# Altium PCB RGV_Control_1V21.PcbDoc (part 3 of 6)
Units mm, origin at the board's own origin, x right, y up, seen from the top; angles counter-clockwise.
Board outline 221.11 x 150.42 mm, 4 copper layers (Top Layer, GND, Power, Bottom Layer), stack 1.56 mm thick; 529 components, 871 nets, 2379 pads, 835 vias.
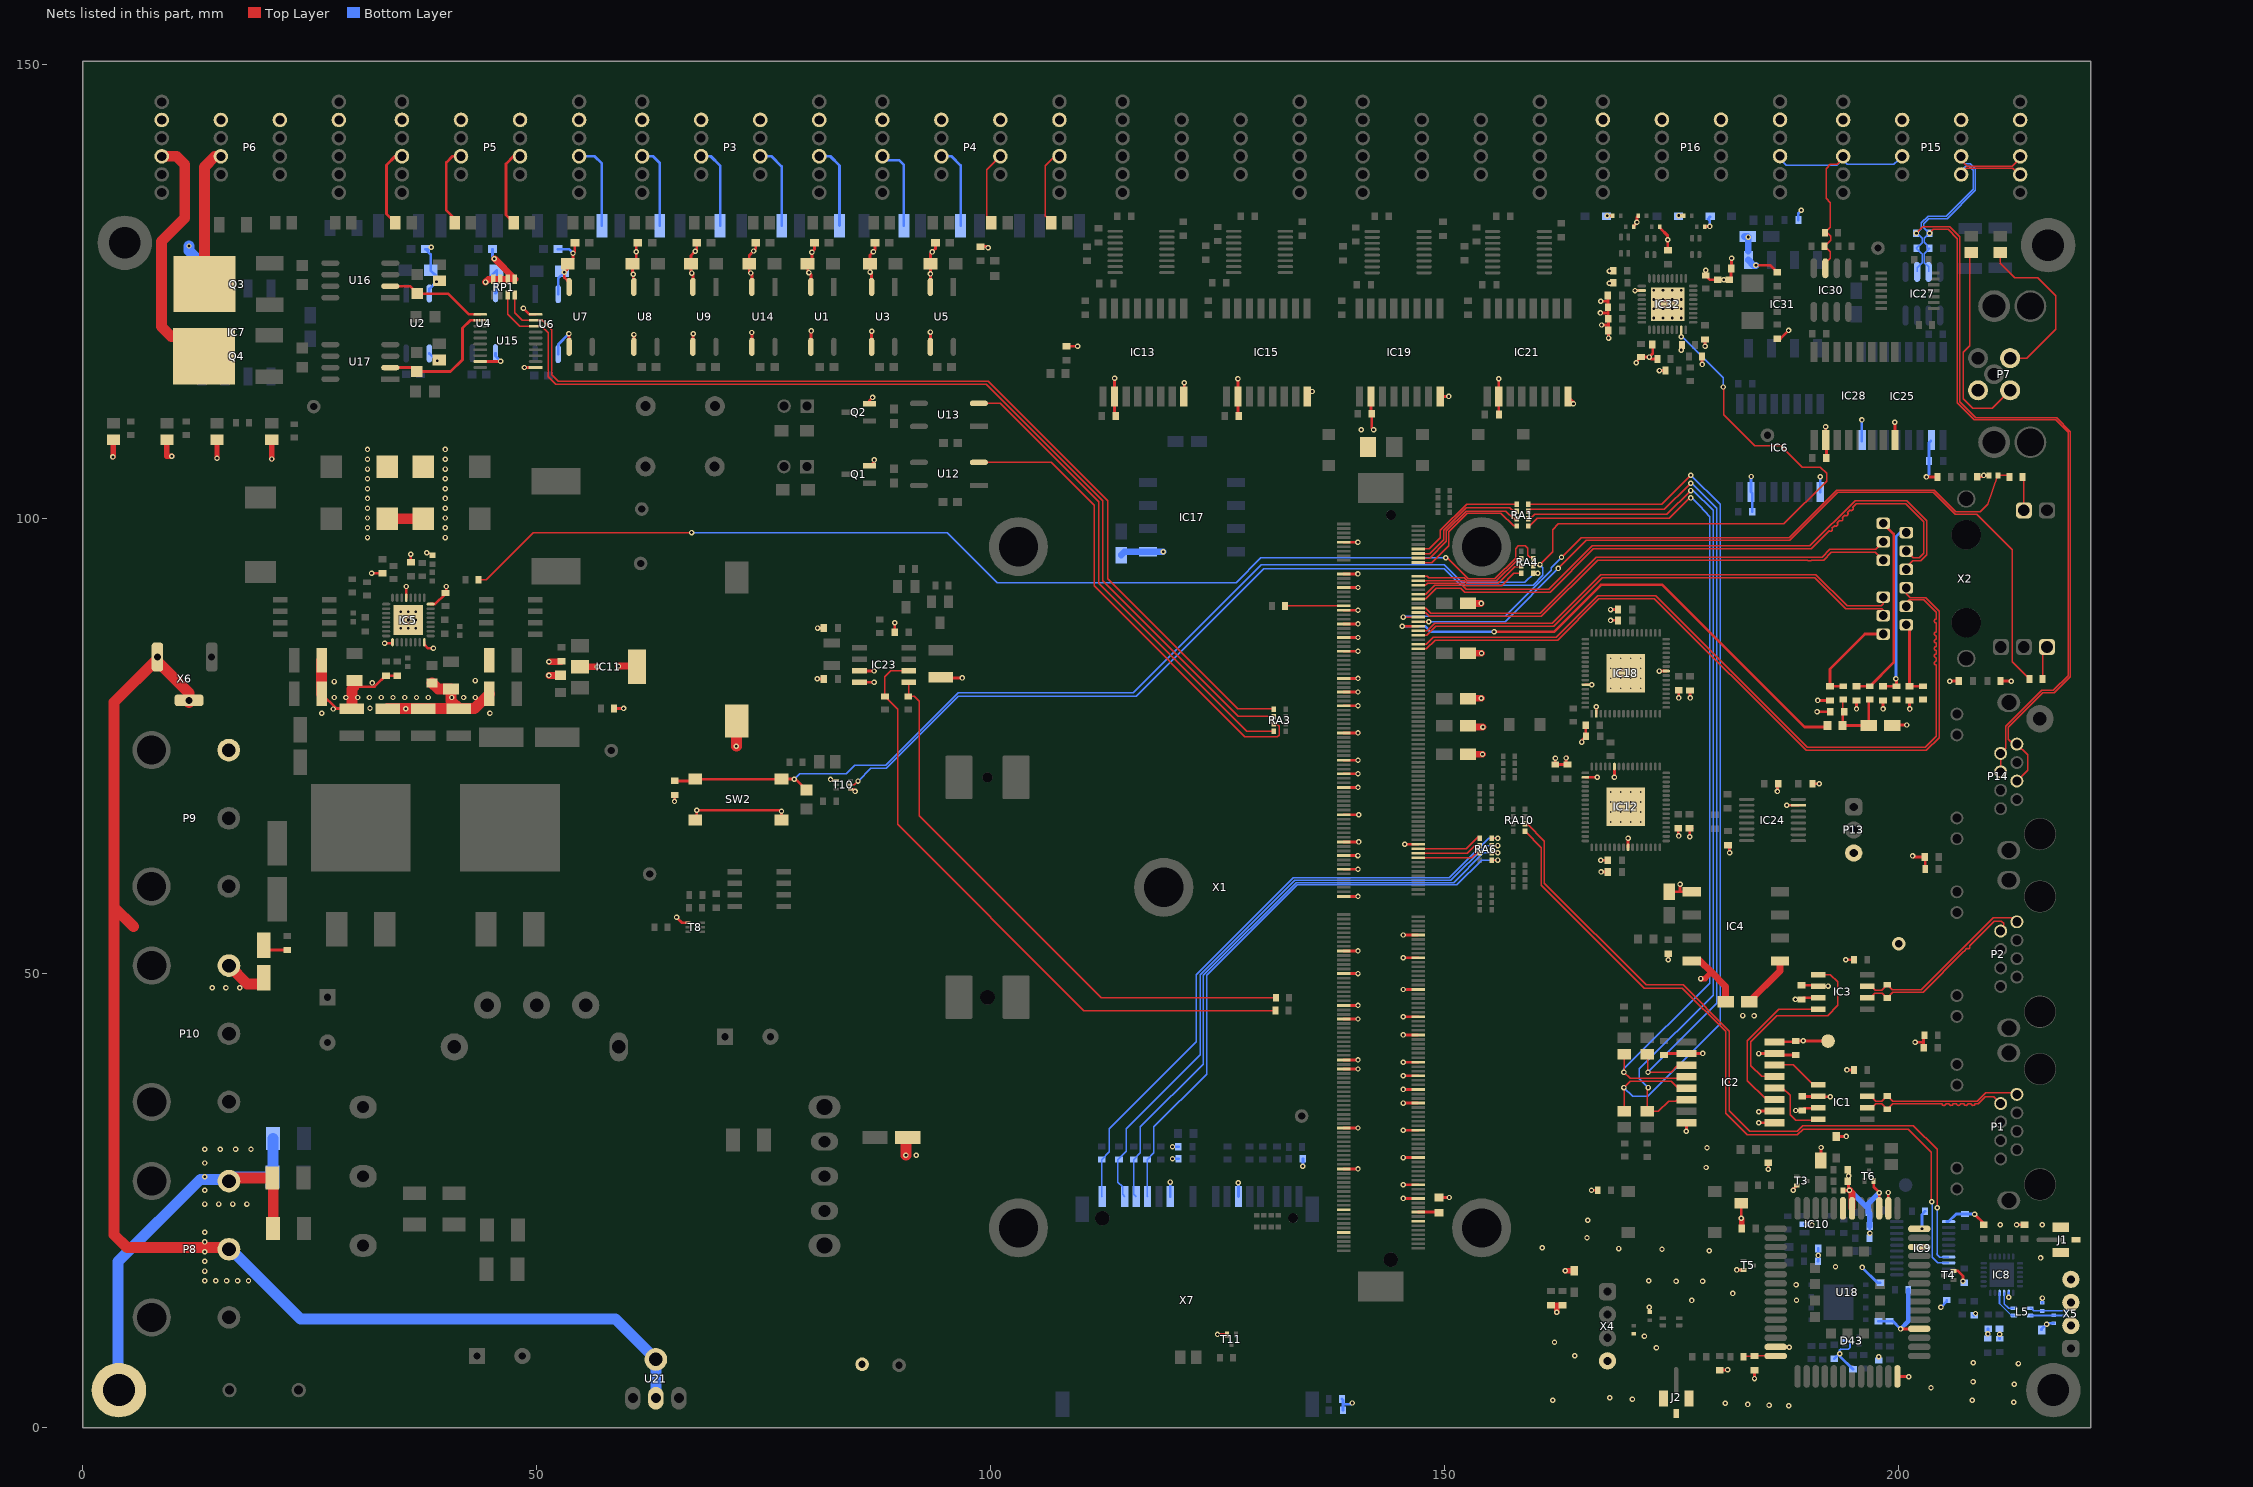
[diagram p5: the nets of this part, all layers, seen from the top]

## Via types
v1: diameter 0.6, hole 0.3, Top Layer to Bottom Layer, 778 vias
v2: diameter 0.5, hole 0.2, Top Layer to Bottom Layer, 32 vias
v3: diameter 0.6, hole 0.3, Top Layer to Bottom Layer, tented bottom, 25 vias

## Nets (pads, with @x,y where several pads share a name; then routed paths per layer and width w, separated by ;. In a path a pad name is that pad's centre, name@x,y a point inside that pad or via, vN(x,y) a via of type N, cw(c..) or ccw(c..) an arc to the next point about the centre after c; other vN are vias at no path point) (continued)
A2: IC27.6 P14.1 P14.5 P15.1 P15.5 R115.1 R116.2 | length 106.5
  Top Layer w0.15: v1(201.925,131.45) 202.625,132.15 205.573,132.15 206.675,131.048 206.675,112.925 208.45,111.15 217.35,111.15 218.875,109.625 218.875,82.646 217.104,80.875 215.825,80.875 212.025,77.075 212.025,75.746 212.562,75.209 P14.1@212.979,75.209 214.175,74.013 214.175,72.341 P14.5@212.979,71.145 ; P15.5@206.347,137.997 206.625,138.275 207.025,138.275 207.35,138.6 212.525,138.6 212.921,138.204 P15.1@212.921,137.923
  Bottom Layer w0.15: R115.1@201.891,131.445 R115.1@201.995,131.445 ; IC27.6@201.995,127.2 201.995,127.67 202.55,128.225 202.55,129.174 202.477,129.247 R116.2@201.93,129.794 202.55,130.414 202.55,130.89 R115.1@201.995,131.445 ; P15.5@206.421,137.923 206.636,138.138 207.348,138.85 207.725,138.85 208.175,138.4 208.175,136.3 205.2,133.325 203.2,133.325 202.475,132.6 202.475,131.925 R115.1@201.995,131.445
AGND: L18.1 X1.303 X1.304 X1.308 X1.313 | length 2.3
  Top Layer w0.3: X1.304@147.062,23.696 149.302,23.696 L18.1@149.377,23.62
B1: IC30.7 P15.10 P15.14 P16.2 R118.1 R119.2 | length 31.2
  Top Layer w0.15: IC30.7@191.897,127.597 191.897,128.197 192.425,128.725 192.425,129.421 R118.1@191.823,130.023 192.475,130.675 192.475,131.125 192.079,131.521 R119.2@191.858,131.521 192.45,132.113 192.45,134.825 191.975,135.3 191.975,138.575 192.45,139.05 193.2,139.05 193.421,139.271 P15.14@193.421,139.923
  Bottom Layer w0.15: P16.2@186.585,139.948 187.584,138.95 193.125,138.95 193.409,139.234 P15.14@193.409,139.923 ; P15.14@193.746,139.273 193.411,139.918 P15.14@193.409,139.923 ; P15.10@199.921,139.923 199.921,139.506 199.44,139.025 194.319,139.025 193.421,139.923 P15.14@193.409,139.923
B2: IC27.7 P14.2 P14.4 P15.2 P15.6 R114.1 R115.2 | length 103
  Top Layer w0.15: v1(203.375,131.45) 203.8,131.875 205.4,131.875 206.425,130.85 206.425,112.775 208.3,110.9 217.246,110.9 218.625,109.521 218.625,82.75 217,81.125 215.72,81.125 211.775,77.18 211.775,74.767 P14.2@211.201,74.193 P14.4@211.201,72.161 ; P15.6@206.421,139.923 207.494,138.85 212.475,138.85 212.921,139.296 P15.2@212.921,139.923
  Bottom Layer w0.15: IC27.7@203.265,127.2 203.265,127.76 202.8,128.225 202.8,129.216 R114.1@203.378,129.794 203.131,129.794 203.131,130.129 202.8,130.46 202.8,130.904 R115.2@203.341,131.445 202.75,132.036 202.75,132.521 203.304,133.075 205.325,133.075 208.425,136.175 208.425,138.55 207.856,139.119 207.225,139.119 P15.6@206.421,139.923
BC20_DEBUG_CON_N: D42.2 L5.4 X5.2 | length 5.3
  Bottom Layer w0.18: L5.4@214.45,12.3 218.5,12.3 218.925,11.875 X5.2@218.925,11.205
BC20_DEBUG_CON_P: D41.2 L5.3 X5.3 | length 5.7
  Bottom Layer w0.18: L5.3@214.45,13.1 214.584,13.1 214.844,12.84 218.478,12.84 218.925,13.287 X5.3@218.925,13.745 ; X5.3@218.313,13.438 X5.3@218.313,13.894
BC20_DEBUG_N: IC8.4 L5.1 | length 3.3
  Bottom Layer w0.18: IC8.4@211.075,14.8 211.075,13.625 212.4,12.3 L5.1@212.65,12.3
BC20_DEBUG_P: IC8.3 L5.2 | length 2.5
  Bottom Layer w0.18: IC8.3@211.575,14.8 211.575,13.613 212.088,13.1 L5.2@212.65,13.1
BC20_RXD: IC9.18 RA10.8 | length 81.4
  Top Layer w0.15: RA10.8@158.831,65.621 160.625,63.827 160.625,59.675 171.95,48.35 176.15,48.35 180.925,43.575 180.925,34.55 183.279,32.196 188.821,32.196 189.442,32.817 201.043,32.817 203.575,30.285 203.575,24.975 203.606,24.944 v1(203.606,24.816)
  Bottom Layer w0.15: v1(203.606,24.816) 203.648,24.816 203.682,24.782 203.682,24.434 203.641,24.394 203.641,18.709 204.257,18.093 IC9.18@205.466,18.093
BC20_TXD: IC9.17 RA10.7 | length 81.6
  Top Layer w0.15: RA10.7@158.831,66.421 159.068,66.421 160.975,64.514 160.975,59.876 172.155,48.696 176.235,48.696 181.331,43.6 181.331,34.84 183.596,32.575 188.8,32.575 189.421,33.196 201.586,33.196 204.2,30.582 204.2,24.243 204.216,24.227 v1(204.216,24.155)
  Bottom Layer w0.15: v1(204.216,24.155) 204.216,19.127 204.157,19.068 204.482,18.743 IC9.17@205.466,18.743
CAN1_H: IC1.7 P1.1 R4.1 | length 17.7
  Top Layer w0.15: IC1.7@196.502,36.398 196.952,36.398 197.464,35.886 198.128,35.886 R4.1@198.704,36.463 199.292,35.875 208.6,35.875 209.575,36.85 212.781,36.85 P1.1@212.979,36.652
CAN1_L: IC1.6 P1.2 R4.2 | length 17.2
  Top Layer w0.15: IC1.6@196.502,35.128 196.953,35.128 197.461,35.636 198.081,35.636 R4.2@198.704,35.013 199.316,35.625 204.013,35.625 204.332,35.625 204.736,35.625 ccw(c204.938,35.625) 205.14,35.625 205.544,35.625 ccw(c205.746,35.625) 205.948,35.625 206.352,35.625 ccw(c206.554,35.625) 206.756,35.625 207.16,35.625 ccw(c207.362,35.625) 207.564,35.625 207.968,35.625 ccw(c208.17,35.625) 208.372,35.625 208.509,35.625 208.704,35.625 209.477,36.398 210.439,36.398 P1.2@211.201,35.636
CAN1_RX: IC2.5 LED2.K RA1.5 | length 105.3
  Top Layer w0.15: RA1.5@159.2,101.625 173.875,101.625 v1(177.075,104.825) ; LED2.K@169.75,34.79 169.75,37.375 v1(169.725,37.4) 170.425,38.1 174.925,38.1 175.696,37.329 IC2.5@176.608,37.329
  Bottom Layer w0.15: v1(169.725,37.4) 170.675,36.45 172.34,36.45 180.3,44.41 180.3,101.6 v1(177.075,104.825)
CAN1_RX_ISO: IC1.4 IC2.12 | length 7.5
  Top Layer w0.15: IC2.12@186.308,37.349 187.226,37.349 188.025,36.55 188.025,34.4 188.625,33.8 191.044,33.8 IC1.4@191.102,33.858
CAN1_TX: IC2.3 LED1.K RA1.6 | length 95
  Top Layer w0.15: RA1.6@159.2,100.825 159.416,101.041 174.178,101.041 176.837,103.7 176.897,103.7 177.063,103.867 v1(177.063,103.937) ; LED1.K@172.3,41.085 172.372,41.014 v1(172.372,39.1) 174.925,39.1 175.55,39.725 176.464,39.725 IC2.3@176.608,39.869
  Bottom Layer w0.15: v1(172.372,39.1) 179.95,46.678 179.95,66.02 179.95,101.203 177.216,103.937 v1(177.063,103.937)
CAN1_TX_ISO: IC1.1 IC2.14 | length 5.7
  Top Layer w0.15: IC2.14@186.308,39.889 188.386,39.889 190.607,37.668 IC1.1@191.102,37.668
CAN2_H: IC3.7 P2.1 R8.1 | length 20.6
  Top Layer w0.15: IC3.7@196.502,48.565 196.935,48.565 197.4,48.1 198.085,48.1 R8.1@198.704,48.719 199.274,48.15 202.475,48.15 210.4,56.075 212.555,56.075 P2.1@212.979,55.651
CAN2_L: IC3.6 P2.2 R8.2 | length 20.2
  Top Layer w0.15: IC3.6@196.502,47.295 196.845,47.295 197.35,47.8 198.174,47.8 R8.2@198.704,47.269 199.31,47.875 202.65,47.875 207.105,52.33 207.201,52.426 207.486,52.711 ccw(c207.606,52.877) 207.772,52.997 210.503,55.728 211.277,55.728 211.531,55.474 211.531,54.966 P2.2@211.201,54.635
CAN2_RX: IC2.6 LED3.K RA1.7 | length 97.3
  Top Layer w0.15: RA1.7@159.2,100.025 159.41,100.025 159.893,100.508 174.458,100.508 v1(177.075,103.125) ; v1(172.4,37.4) 172.3,37.3 LED3.K@172.3,34.79 173.515,34.79 174.635,35.91 175.435,35.91 175.584,36.059 IC2.6@176.608,36.059
  Bottom Layer w0.15: v1(172.4,37.4) 171.425,38.375 171.425,39.446 179.55,47.571 179.55,85.167 179.55,100.95 177.375,103.125 v1(177.075,103.125)
CAN2_RX_ISO: IC2.11 IC3.4 | length 17.5
  Top Layer w0.15: IC2.11@186.308,36.079 186.237,36.15 185.325,36.15 183.325,38.15 183.325,42.575 186.775,46.025 IC3.4@191.102,46.025
CAN2_TX: IC2.4 LED4.K RA1.8 | length 96.4
  Top Layer w0.15: RA1.8@159.2,99.225 159.339,99.225 160.165,100.051 174.701,100.051 176.961,102.311 v1(177.089,102.311) ; LED4.K@169.75,41.085 169.75,39.125 v1(169.725,39.1) 170.4,38.425 176.434,38.425 IC2.4@176.608,38.599
  Bottom Layer w0.15: v1(169.725,39.1) 169.725,39.448 179.175,48.898 179.175,60.4 179.175,100.264 178.05,101.45 177.189,102.311 v1(177.089,102.311)
CAN2_TX_ISO: IC2.13 IC3.1 | length 21.6
  Top Layer w0.15: IC2.13@185.675,38.85 185.444,38.619 184.906,38.619 183.7,39.825 183.7,42.465 186.56,45.325 192.137,45.325 193.25,46.438 193.25,49.025 192.44,49.835 IC3.1@191.102,49.835 ; IC2.13@186.308,38.619 IC2.13@186.414,38.725
CAN_5V_ISO: C1.2 C2.2 C4.2 C6.1 IC1.3 IC2.10 IC2.16 IC3.3 IC4.5 TP601.1 | length 18.7
  Top Layer w0.3: v1(184.55,34.75) 184.609,34.809 IC2.10@186.308,34.809 ; IC2.16@186.308,42.429 188.541,42.429 C2.2@188.646,42.534 189.449,42.534 189.463,42.52 TP601.1@192.2,42.52 ; v1(188.6,47.1) C4.2@189.275,47.1 189.47,47.295 IC3.3@191.102,47.295 ; v1(188.646,34.875) C1.2@189.35,34.875 189.603,35.128 IC1.3@191.102,35.128
  Top Layer w0.75: C6.1@183.52,46.865 186.892,50.237 IC4.5@186.892,51.334
  other v1: 189.475,42.56 184.05,45.3 182.8,45.325
CAN_GND_ISO: C1.1 C2.1 C4.1 C6.2 IC1.2 IC2.9 IC2.15 IC3.2 IC4.4 R1.2 R7.2 TP602.1 | length 21.7
  Top Layer w0.3: v1@184.55,33.539 IC2.9@186.308,33.539 ; v1(184.55,41.139) 184.57,41.159 IC2.15@186.308,41.159 186.483,40.984 C2.1@188.646,40.984 ; C4.1@189.275,48.65 191.017,48.65 IC3.2@191.102,48.565 192.19,48.565 v1(192.2,48.575) ; C1.1@189.35,36.425 191.075,36.425 191.102,36.398 v1(192.425,36.398) ; v1(194.15,51.475) 194.162,51.487 R7.2@195.058,51.487 ; v1(194.275,39.339) 194.281,39.346 R1.2@195.058,39.346
  Top Layer w0.6: v1(178.175,49.4) 178.65,49.4 179.35,50.1
  Top Layer w0.75: IC4.4@177.192,51.334 178.116,51.334 179.35,50.1 180.92,48.53 C6.2@180.92,46.865
  other v1: 184.55,33.519
DII01: DI2.A P5.14 | length 9.1
  Top Layer w0.3: DI2.A@34.467,132.625 33.5,133.592 33.5,138.975 34.454,139.929 P5.14@35.406,139.929
DII02: DI4.A P5.10 | length 9.1
  Top Layer w0.3: DI4.A@40.986,132.625 40.986,133.068 40.075,133.979 40.075,139.257 40.747,139.929 P5.10@41.906,139.929
DII03: DI6.A P5.6 | length 8.9
  Top Layer w0.3: DI6.A@47.505,132.625 46.65,133.48 46.65,139.1 47.479,139.929 P5.6@48.193,139.929 P5.6@48.406,139.929
DII04: P5.2 R27.1 | length 9.4
  Bottom Layer w0.3: P5.2@54.906,139.929 56.387,139.929 57.2,139.117 R27.1@57.2,132.3
DII05: P3.14 R29.1 | length 9
  Bottom Layer w0.3: P3.14@61.742,139.929 62.839,139.929 63.575,139.193 R29.1@63.575,132.3
DII06: P3.10 R31.1 | length 9
  Bottom Layer w0.3: P3.10@68.242,139.929 69.189,139.929 70.225,138.893 R31.1@70.225,132.3
DII07: P3.6 R47.1 | length 9.2
  Bottom Layer w0.3: P3.6@74.742,139.929 75.894,139.929 77,138.824 R47.1@77,132.3
DII08: P3.2 R15.1 | length 9.2
  Bottom Layer w0.3: P3.2@81.242,139.929 82.346,139.929 83.375,138.9 R15.1@83.375,132.3
DII09: P4.14 R19.1 | length 9.4
  Bottom Layer w0.3: P4.14@88.078,139.929 88.507,139.5 89.9,139.5 90.45,138.95 R19.1@90.45,132.3
DII10: P4.10 R23.1 | length 9.1
  Bottom Layer w0.3: P4.10@94.578,139.929 95.671,139.929 96.7,138.9 R23.1@96.7,132.3
DII11: DI8.A P4.6 | length 8.1
  Top Layer w0.15: DI8.A@100.085,132.625 99.575,133.135 99.575,138.427 P4.6@101.078,139.929
DII12: DI9.A P4.2 | length 8.4
  Top Layer w0.15: DI9.A@106.679,132.715 106.025,133.369 106.025,138.9 107.054,139.929 P4.2@107.578,139.929
DII13: DI10.A P7.3 | length 18.8
  Top Layer w0.15: DI10.A@211.15,129.335 211.15,128.143 212.75,126.543 215.265,126.543 217.246,124.562 217.246,120.879 214.071,117.704 P7.3@212.242,117.704
DII14: DI12.A P7.4 | length 22.9
  Top Layer w0.15: DI12.A@207.975,129.335 207.8,129.16 207.8,119.075 207.1,118.375 207.1,113.225 208.15,112.175 210.254,112.175 P7.4@212.242,114.164
DO0: RA3.8 RP1.5 U15.9 | length 111.5
  Top Layer w0.15: RP1.5@47.625,124.658 47.625,122.7 48.451,121.874 U15.9@49.913,121.874 50.626,121.874 51.675,120.825 51.675,115.9 52.425,115.15 99.725,115.15 112.875,102 112.875,93.425 127.2,79.1 131.1,79.1 RA3.8@131.175,79.025
DO1: RA3.7 RP1.6 U15.8 | length 112.8
  Top Layer w0.15: RP1.6@46.825,124.658 46.825,122.55 48.151,121.224 U15.8@49.913,121.224 50.576,121.224 51.3,120.5 51.3,115.65 52.1,114.85 99.5,114.85 112.35,102 112.35,93.194 127.244,78.3 131.1,78.3 RA3.7@131.175,78.225
DO2: RA3.6 U12.2 | length 52.6
  Top Layer w0.15: U12.2@98.702,106.223 106.677,106.223 111.4,101.5 111.4,92.625 128,76.025 131.575,76.025 131.75,76.2 131.75,77.19 131.515,77.425 RA3.6@131.175,77.425 RA3.6@131.1,77.5
DO3: RA3.5 U13.2 | length 52.7
  Top Layer w0.15: U13.2@98.702,112.725 101.075,112.725 111.884,101.916 111.884,92.946 111.881,92.942 128.198,76.625 RA3.5@131.175,76.625
DO10: R55.2 U15.11 U16.2 | length 11.2
  Top Layer w0.3: U16.2@33.907,125.628 36.059,125.628 R55.2@36.881,124.807 40.268,124.807 42.551,122.524 U15.11@43.813,122.524
DO11: R56.2 U15.12 U17.2 | length 14.5
  Top Layer w0.3: U17.2@33.907,116.662 36.39,116.662 R56.2@36.83,116.222 40.547,116.222 41.85,117.525 41.85,121 42.724,121.874 U15.12@43.813,121.874
DOO01: P6.10 Q3.4 | length 15.2
  Top Layer w1.2: Q3.4@13.453,125.857 13.453,138.75 14.628,139.925 P6.10@15.25,139.925
DOO02: P6.14 Q4.4 | length 27.9
  Top Layer w1.2: P6.14@8.75,139.929 10.371,139.929 11.275,139.025 11.275,133.125 8.7,130.55 8.7,121.175 9.817,120.058 11.275,120.058 Q4.4@13.411,117.922
EARTH: C57.1 C58.1 P8.1 pad.@4.039,4.089 Y1.2 Y2.1 | length 49.9
  Top Layer w1.2: P8.1@16.145,27.294 16.284,27.432 Y1.2@20.917,27.432 21.018,27.33 C58.1@21.018,21.9
  Bottom Layer w1.2: pad.@4.039,4.089 3.937,4.064 3.937,18.237 12.993,27.294 16.145,27.294 16.385,27.534 C57.1@20.942,27.534 ; C57.1@20.993,27.483 C57.1@20.942,27.534 ; Y2.1@20.993,31.801 20.993,27.584 C57.1@20.942,27.534
  other v1: 13.475,24.575 15.025,24.575 16.575,24.575 18.125,24.575 13.475,26.081 13.475,27.587 13.475,29.094 13.475,30.6 15.175,30.6 16.875,30.6 18.575,30.6
ETH1_ACT: C8.2 R9.1 X1.42 | length 77.7
  Top Layer w0.15: v1@145.703,89.196 X1.42@147.062,89.196 ; v1(162.85,95.775) 165,97.925 187.9,97.925 193.15,103.175 203.886,103.175 206.273,100.787 208.94,100.787 209.798,101.645 C8.2@210.904,104.791 211.984,104.791 R9.1@212.152,104.623
  Bottom Layer w0.15: v1(145.428,89.196) 145.503,89.271 156.63,89.271 161.696,94.337 161.696,94.621 v1(162.85,95.775)
ETH1_ACT_C: R9.2 X2.13 | length 3.7
  Top Layer w0.15: R9.2@213.602,104.623 213.757,104.468 X2.13@213.757,100.94
ETH1_CTREF: L2.1 X1.46 | length 57.5
  Top Layer w0.3: v1(145.313,88.189) 145.321,88.196 X1.46@147.062,88.196 ; v1(155.425,87.575) 162.025,87.575 167.2,92.75 173.95,92.75 189.6,77.1 191.957,77.1 L2.1@192.124,77.267
  Bottom Layer w0.3: v1(145.313,88.189) 145.321,88.196 147.819,88.196 148.44,87.575 v1(155.425,87.575)
ETH1_CTREF_0: C9.2 R11.2 X2.12 | length 10.8
  Top Layer w0.3: R11.2@193.878,81.578 192.417,81.578 C9.2@192.405,81.566 192.405,83.49 196.24,87.325 X2.12@198.263,87.325
ETH1_CTREF_1: C10.2 R12.2 X2.6 | length 8.4
  Top Layer w0.3: X2.6@200.803,88.341 201.168,87.977 C10.2@201.168,81.566 201.18,81.578 R12.2@202.641,81.578
ETH1_CTREF_2: C12.2 R13.2 X2.1 | length 19.3
  Top Layer w0.3: C12.2@198.247,81.566 198.259,81.578 R13.2@199.72,81.578 199.72,82.347 v1(199.669,82.398)
  Bottom Layer w0.3: v1(199.669,82.398) 199.669,98.056 200.115,98.501 X2.1@200.803,98.501
ETH1_CTREF_3: C14.2 R14.2 X2.7 | length 21
  Top Layer w0.3: C14.2@195.326,81.566 195.338,81.578 R14.2@196.799,81.578 199.415,84.195 199.415,98.365 X2.7@198.263,99.517
ETH1_CTREF_ALL: C11.2 C13.1 L2.2 R11.1 R12.1 R13.1 R14.1 | length 8.7
  Top Layer w0.15: C11.2@193.815,78.765 193.815,80.065 R11.1@193.878,80.128
  Top Layer w0.3: C11.2@193.815,78.765 193.804,78.754 L2.2@193.804,77.267 C13.1@196.668,77.267 196.668,79.997 R14.1@196.799,80.128
ETH1_LINK: R10.1 X1.44 | length 89
  Top Layer w0.15: X1.44@147.062,88.696 v1(148.238,88.696) ; v1(162.5,94.55) 165.6,97.65 188,97.65 193.275,102.925 203.782,102.925 206.199,100.508 208.585,100.508 212.471,96.622 212.471,84.275 R10.1@214.374,82.372
  Bottom Layer w0.15: v1(148.238,88.696) 156.646,88.696 v1(162.5,94.55)
ETH1_LINK_C: R10.2 X2.17 | length 3.7
  Top Layer w0.15: R10.2@215.824,82.372 215.824,85.429 X2.17@216.297,85.903
ETH1_MDI0_N: X1.48 X2.10 | length 56
  Top Layer w0.15: X1.48@147.062,87.706 148.061,87.706 148.88,88.525 161.837,88.525 167.19,93.878 190.863,93.878 194.292,90.449 198.044,90.449 198.263,90.669 X2.10@198.263,91.389
ETH1_MDI0_P: X1.50 X2.11 | length 55.9
  Top Layer w0.15: X1.50@147.062,87.196 148.018,87.196 149.017,88.195 161.973,88.195 167.327,93.548 190.726,93.548 194.155,90.119 198.094,90.119 198.263,89.95 X2.11@198.263,89.357
ETH1_MDI1_N: X1.54 X2.5 | length 86.1
  Top Layer w0.15: X1.54@147.062,86.196 147.943,86.196 148.742,86.995 162.278,86.995 166.833,91.55 173.22,91.55 189.916,74.854 202.891,74.854 204.089,76.052 204.089,83.185 204.089,83.516 204.089,83.92 cw(c204.089,84.122) 204.089,84.324 204.089,84.728 cw(c204.089,84.93) 204.089,85.132 204.089,85.536 cw(c204.089,85.738) 204.089,85.94 204.089,86.344 cw(c204.089,86.546) 204.089,86.748 204.089,87.152 cw(c204.089,87.354) 204.089,87.556 204.089,87.96 204.089,88.57 cw(c204.089,88.772) 204.089,88.974 204.089,89.052 204.089,89.713 202.717,91.084 201.117,91.084 200.803,90.771 X2.5@200.803,90.373
ETH1_MDI1_P: X1.56 X2.4 | length 86.1
  Top Layer w0.15: X1.56@147.062,85.696 147.986,85.696 148.955,86.665 162.415,86.665 166.97,91.22 173.083,91.22 189.779,74.524 203.028,74.524 204.419,75.915 204.419,76.952 204.419,89.849 202.93,91.338 201.244,91.338 200.803,91.779 X2.4@200.803,92.405
ETH1_MDI2_N: X1.34 X2.2 | length 68.3
  Top Layer w0.15: X1.34@147.062,91.196 147.887,91.196 149.057,92.366 151.776,92.366 152.217,91.925 161.594,91.925 166.369,96.7 190.334,96.7 191.787,98.154 192.048,98.414 192.334,98.7 ccw(c192.477,98.843) 192.62,98.986 192.905,99.271 ccw(c193.048,99.414) 193.191,99.557 193.477,99.843 ccw(c193.62,99.986) 193.762,100.128 194.048,100.414 ccw(c194.191,100.557) 194.334,100.7 194.619,100.985 ccw(c194.762,101.128) 194.905,101.271 195.191,101.557 195.255,101.621 195.31,101.676 200.727,101.676 202.718,99.685 202.718,96.214 202.21,95.707 201.565,95.707 X2.2@200.803,96.469
ETH1_MDI2_P: X1.32 X2.3 | length 68.3
  Top Layer w0.15: X1.32@147.062,91.696 147.887,91.696 148.887,92.696 151.912,92.696 152.353,92.255 161.458,92.255 166.233,97.03 190.197,97.03 195.174,102.006 200.863,102.006 203.048,99.822 203.048,96.078 202.372,95.402 201.524,95.402 200.803,94.682 X2.3@200.803,94.437
ETH1_MDI3_N: X1.40 X2.9 | length 54.8
  Top Layer w0.15: X1.40@147.062,89.696 147.887,89.696 148.302,89.281 160.63,89.281 166.824,95.475 189.357,95.475 189.559,95.475 189.943,95.475 cw(c189.943,95.455) 189.963,95.455 189.963,95.42 ccw(c189.983,95.42) 189.983,95.4 190.347,95.4 ccw(c190.347,95.42) 190.367,95.42 190.367,95.455 cw(c190.387,95.455) 190.387,95.475 190.576,95.475 191.7,95.475 192.542,96.317 197.4,96.317 X2.9@198.263,95.453
ETH1_MDI3_P: X1.38 X2.8 | length 54.7
  Top Layer w0.15: X1.38@147.062,90.196 147.887,90.196 148.472,89.611 160.493,89.611 166.687,95.805 191.563,95.805 192.405,96.647 197.425,96.647 X2.8@198.263,97.485
GND: BAT1.2 C3.1 C5.2 C7.1 C8.1 C9.1 C10.1 C11.1 C12.1 C13.2 C14.1 C15.2 C16.2 C17.2 C18.2 C19.2 C20.2 C21.2 C22.1 C24.2 C25.2 C26.2 C27.1 C28.2 C30.1 C31.2 C32.2 C34.1 C35.1 C36.1 C37.2 C38.2 C39.2 C40.1 C41.1 C42.1 C43.2 C44.2 C45.1 C46.2 C47.2 C48.2 C49.1 C50.1 C51.1 C52.1 C59.1 C60.1 C61.1 C62.2 C63.2 C64.2 C65.1 C67.1 C68.2 C69.2 C70.2 C71.1 C72.1 C73.1 C74.1 C75.1 C76.1 C77.2 C79.2 C80.1 C81.1 C82.1 C83.1 C84.2 C86.2 C87.1 C91.1 C92.1 C93.1 C94.1 C95.1 C97.1 C98.1 C105.1 C109.2 C111.1 C114.1 C115.1 C116.1 C117.1 C118.1 C120.1 C121.1 C128.1 C132.1 C133.1 C134.1 C135.1 C136.1 C137.1 C140.1 C141.1 C142.1 C144.2 C146.1 C148.1 C149.1 C150.1 C151.1 C152.1 C153.1 C154.1 C155.1 C156.1 C157.1 C158.1 C159.1 C160.1 C161.1 C162.1 C165.1 C166.1 C167.1 C169.1 C170.1 C171.1 C172.1 C173.1 C174.1 C175.2 C176.2 C177.2 C178.2 D1.1 D2.1 D3.1 D4.1 D5.1 D6.1 D7.1 D8.1 D9.1 D12.1 D21.K D22.K D23.K D24.K D27.1 D28.1 D29.1 D30.1 D31.1 D32.1 D33.2 D34.2 D35.2 D36.2 D37.2 D38.1 D39.1 D40.2 D41.1 D42.1 D43.2 DO1.K DO2.K IC2.2 IC2.8 IC4.1 IC5.5 IC5.17 IC5.24 IC5.32 IC5.33 IC6.9 IC6.15 IC7.1 IC8.2 IC9.11 IC10.2 IC11.2 IC11.4 IC12.2 IC12.25 IC12.59 IC12.65 IC13.2 IC13.8 IC15.2 IC15.8 IC17.1 IC18.2 IC18.25 IC18.59 IC18.65 IC19.2 IC19.8 IC21.2 IC21.8 IC23.3 IC23.4 IC24.15 IC25.2 IC25.8 IC28.2 IC28.8 IC31.1 IC32.11 IC32.37 J1.2 J1.3 J1.4 J2.2 J2.3 J2.4 L7.2 L18.2 L19.2 LED7.K P3.4 P3.8 P3.12 P3.16 P4.4 P4.8 P4.12 P4.16 P5.4 P5.8 P5.12 P5.16 P6.4 P6.8 P6.12 P6.16 P7.1 P9.1 P10.1 P13.3 P15.4 P15.8 P15.12 P15.16 P16.4 P16.8 P16.12 P16.16 Q1.2 Q2.2 R36.1 R37.2 R58.1 R66.2 R67.1 R68.2 R69.1 R70.2 R77.1 R83.2 R84.1 R121.1 R123.2 R124.2 R125.2 R126.1 R127.1 R134.1 R135.1 R141.1 R142.1 R143.1 RP1.1 RP1.2 RP1.3 RP1.4 SW2.1 SW2.2 T3.2 T4.2 T5.2 T6.2 T8.1 T10.1 T10.4 T11.2 TP4.1 U1.2 U1.3 U2.2 U2.3 U3.2 U3.3 U4.2 U4.3 U5.2 U5.3 U6.2 U6.3 U7.2 U7.3 U8.2 U8.3 U9.2 U9.3 U14.2 U14.3 U15.1 U15.10 U15.19 U18.14 U18.27 U18.31 U18.40 U18.42 U18.44 U18.45 U18.48 U18.49 X1.9 X1.23 X1.29 X1.39 X1.45 X1.51 X1.57 X1.69 X1.75 X1.81 X1.93 X1.105 X1.111 X1.117 X1.129 X1.141 X1.142 X1.147 X1.153 X1.165 X1.182 X1.189 X1.192 X1.199 X1.206 X1.213 X1.218 X1.219 X1.226 X1.237 X1.238 X1.241 X1.244 X1.250 X1.256 X1.267 X1.268 X1.280 X1.285 X1.292 X1.298 X4.4 X5.4 X7.6 X7.10 | length 462.6